# Altium PCB TwoFoot_PCB_m4T1Top2.PcbDoc (part 6 of 9)
Units mil, origin at the board's own origin, x right, y up, seen from the top; angles counter-clockwise.
Board outline 2525.58 x 2682.53 mil, 2 copper layers (Top Layer, Bottom Layer); 83 components, 113 nets, 349 pads, 87 vias.
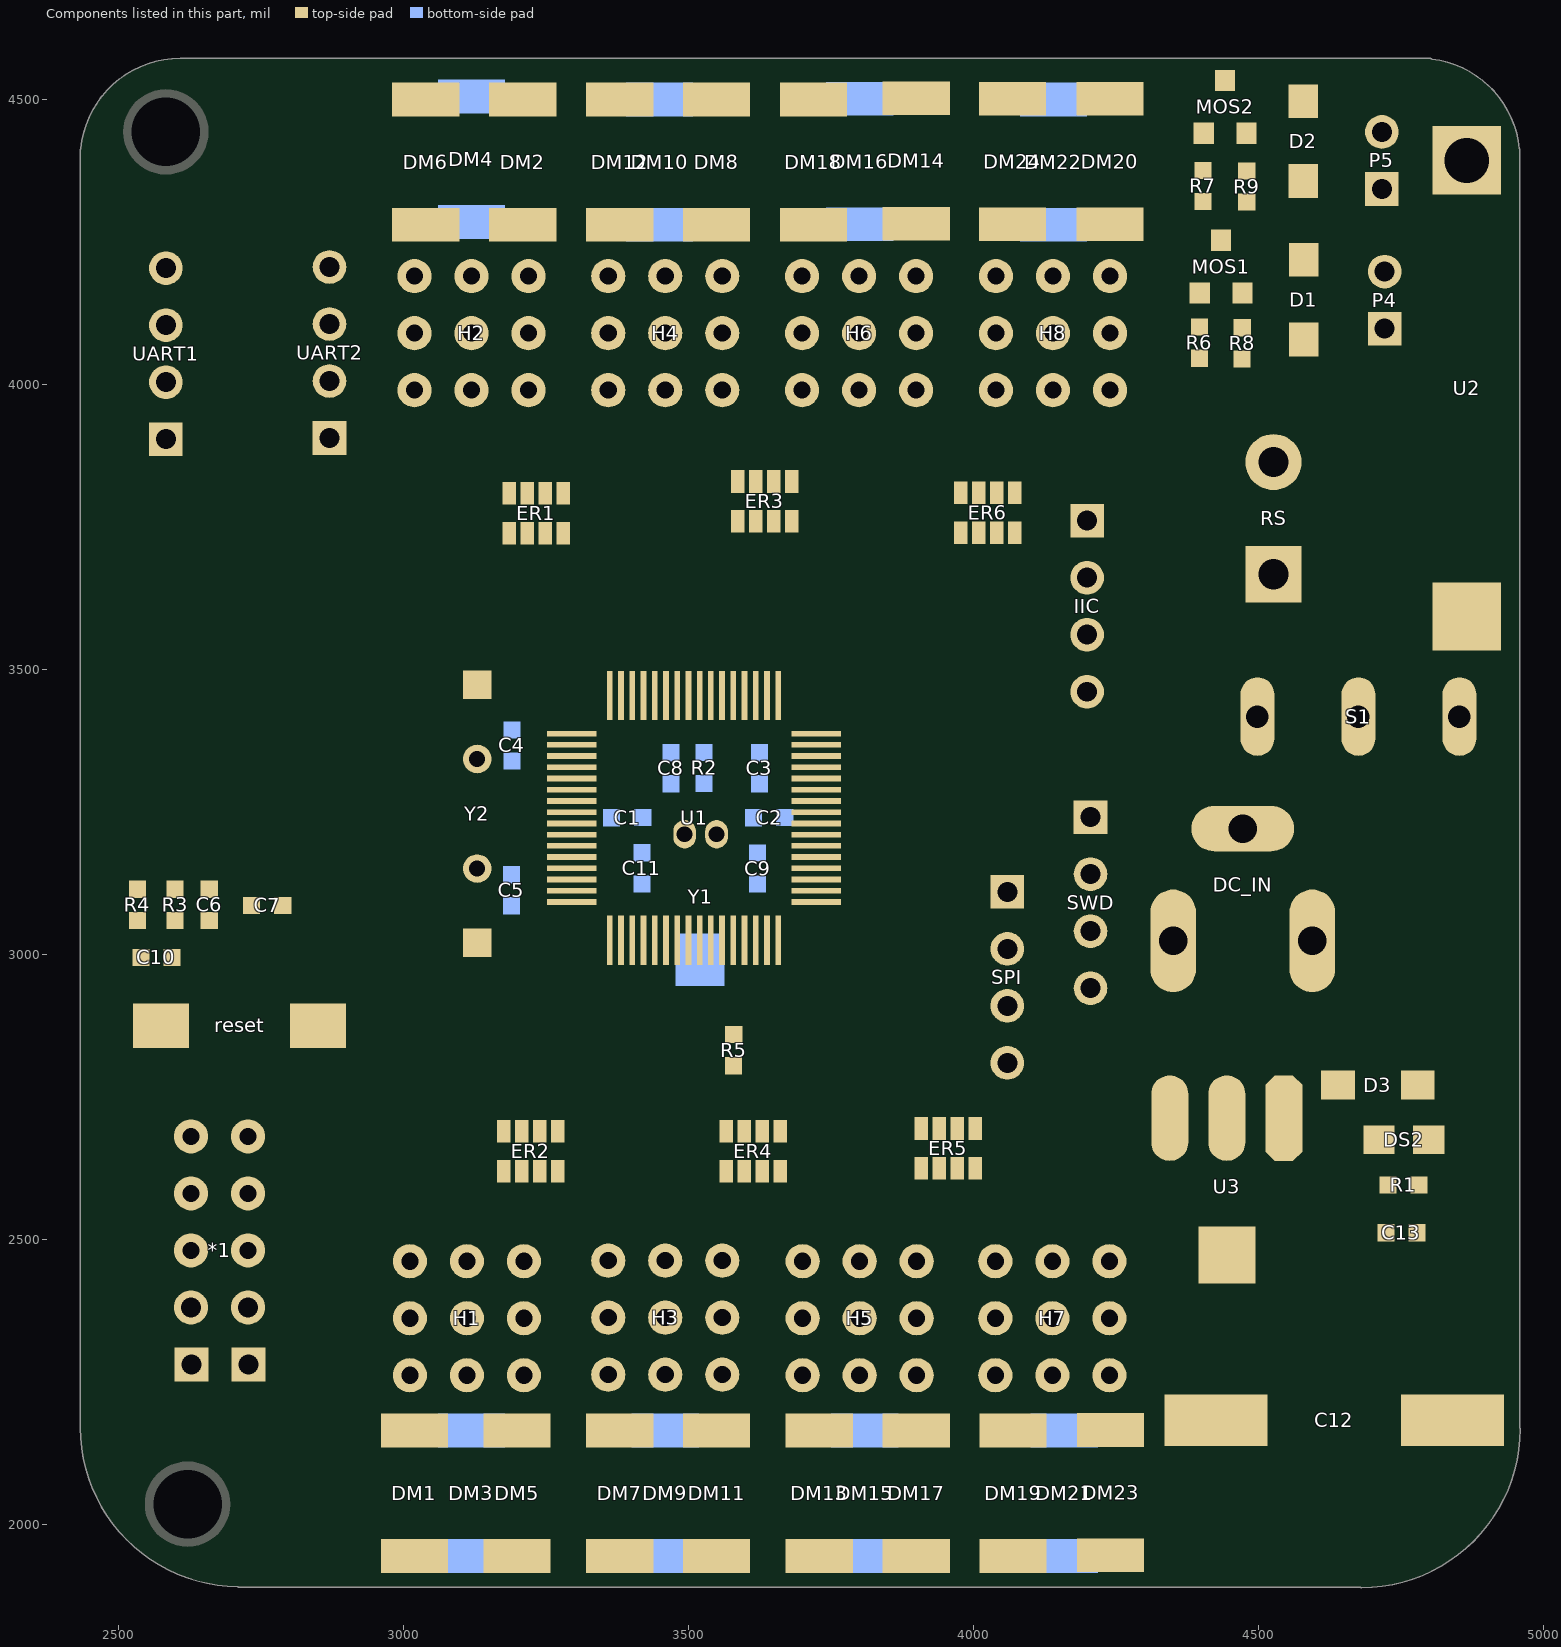
[diagram p6: the components of this part, seen from the top]

## Via types
v1: diameter 24, hole 12, Top Layer to Bottom Layer, 65 vias
v2: diameter 30, hole 20, Top Layer to Bottom Layer, 8 vias
v3: diameter 20, hole 15, Top Layer to Bottom Layer, 8 vias
v4: diameter 32, hole 15, Top Layer to Bottom Layer, 3 vias
v5: diameter 60, hole 45, Top Layer to Bottom Layer, 1 vias
v6: diameter 50, hole 35, Top Layer to Bottom Layer, 1 vias
v7: diameter 30, hole 15, Top Layer to Bottom Layer, 1 vias

## Nets (pads, with @x,y where several pads share a name; then routed paths per layer and width w, separated by ;. In a path a pad name is that pad's centre, name@x,y a point inside that pad or via, vN(x,y) a via of type N, cw(c..) or ccw(c..) an arc to the next point about the centre after c; other vN are vias at no path point) (continued)
copper on no net: (continued)
  Top Layer w0.6: 3015.6,3645.2 3015.6,3647 ; 3015.6,3657.2 3015.6,3701.6 ; 3016.2,3422 3016.2,3425.6 ; 3016.2,3426.2 3016.2,3446 ; 3016.2,3455 3016.2,3489.2 ; 3016.2,3491 3016.2,3491.6 ; 3016.2,3492.2 3016.2,3515.6 ; 3016.2,3534.2 3016.2,3534.8 ; 3016.2,3548 3016.2,3549.2 ; 3016.2,3579.2 3016.2,3598.4 ; 3016.2,3606.2 3016.2,3606.8 ; 3016.2,3608.6 3016.2,3609.2 ; 3016.2,3611 3016.2,3636.2 ; 3016.2,3645.2 3016.2,3647 ; 3016.2,3657.2 3016.2,3699.2 ; 3016.2,3699.8 3016.2,3701 ; 3016.8,3425 3016.8,3441.8 ; 3016.8,3456.2 3016.8,3489.2 ; 3016.8,3491.6 3016.8,3517.4 ; 3016.8,3533 3016.8,3534.2 ; 3016.8,3571.4 3016.8,3599 ; 3016.8,3600.2 3016.8,3600.8 ; 3016.8,3602.6 3016.8,3603.2 ; 3016.8,3609.2 3016.8,3610.4 ; 3016.8,3611 3016.8,3617 ; 3016.8,3617.6 3016.8,3634.4 ; 3016.8,3644.6 3016.8,3646.4 ; 3016.8,3657.8 3016.8,3701 ; 3017.4,3425 3017.4,3440.6 ; 3017.4,3456.2 3017.4,3489.2 ; 3017.4,3491 3017.4,3518 ; 3017.4,3533 3017.4,3533.6 ; 3017.4,3546.2 3017.4,3546.8 ; 3017.4,3564.8 3017.4,3566.6 ; 3017.4,3567.2 3017.4,3583.4 ; 3017.4,3585.8 3017.4,3600.2 ; 3017.4,3600.8 3017.4,3602 ; 3017.4,3603.2 3017.4,3603.8 ; 3017.4,3605.6 3017.4,3606.8 ; 3017.4,3611.6 3017.4,3617.6 ; 3017.4,3618.2 3017.4,3633.8 ; 3017.4,3644.6 3017.4,3646.4 ; 3017.4,3658.4 3017.4,3699.2 ; 3018,3425 3018,3440 ; 3018,3456.8 3018,3489.2 ; 3018,3491 3018,3491.6 ; 3018,3492.2 3018,3519.2 ; 3018,3528.8 3018,3530 ; 3018,3531.2 3018,3533 ; 3018,3544.4 3018,3546.2 ; 3018,3558.8 3018,3560.6 ; 3018,3561.2 3018,3580.4 ; 3018,3586.4 3018,3601.4 ; 3018,3602 3018,3603.2 ; 3018,3606.8 3018,3608 ; 3018,3609.2 3018,3610.4 ; 3018,3612.2 3018,3632.6 ; 3018,3644 3018,3645.8 ; 3018,3658.4 3018,3698.6 ; 3018.6,3425 3018.6,3438.2 ; 3018.6,3456.2 3018.6,3486.2 ; 3018.6,3486.8 3018.6,3489.2 ; 3018.6,3491 3018.6,3491.6 ; 3018.6,3492.2 3018.6,3495.8 ; 3018.6,3496.4 3018.6,3521 ; 3018.6,3528.2 3018.6,3533 ; 3018.6,3554.6 3018.6,3580.4 ; 3018.6,3585.8 3018.6,3602 ; 3018.6,3602.6 3018.6,3603.2 ; 3018.6,3603.8 3018.6,3605.6 ; 3018.6,3607.4 3018.6,3610.4 ; 3018.6,3612.8 3018.6,3631.4 ; 3018.6,3643.4 3018.6,3645.2 ; 3018.6,3659 3018.6,3698.6 ; 3019.2,3424.4 3019.2,3437.6 ; 3019.2,3455.6 3019.2,3483.2 ; 3019.2,3483.8 3019.2,3489.2 ; 3019.2,3491 3019.2,3495.8 ; 3019.2,3497 3019.2,3497.6 ; 3019.2,3498.2 3019.2,3523.4 ; 3019.2,3525.8 3019.2,3532.4 ; 3019.2,3542.6 3019.2,3543.8 ; 3019.2,3547.4 3019.2,3560.6 ; 3019.2,3561.2 3019.2,3602.6 ; 3019.2,3603.2 3019.2,3603.8 ; 3019.2,3604.4 3019.2,3606.2 ; 3019.2,3608 3019.2,3608.6 ; 3019.2,3609.8 3019.2,3610.4 ; 3019.2,3612.2 3019.2,3613.4 ; 3019.2,3614 3019.2,3629.6 ; 3019.2,3642.8 3019.2,3644.6 ; 3019.2,3659.6 3019.2,3698 ; 3019.8,3423.8 3019.8,3437 ; 3019.8,3455 3019.8,3489.2 ; 3019.8,3491 3019.8,3492.2 ; 3019.8,3492.8 3019.8,3495.8 ; 3019.8,3498.2 3019.8,3524 ; 3019.8,3525.2 3019.8,3531.8 ; 3019.8,3541.4 3019.8,3542 ; 3019.8,3543.2 3019.8,3555.8 ; 3019.8,3561.8 3019.8,3603.2 ; 3019.8,3605.6 3019.8,3606.8 ; 3019.8,3608 3019.8,3608.6 ; 3019.8,3612.2 3019.8,3614 ; 3019.8,3615.2 3019.8,3629 ; 3019.8,3642.2 3019.8,3644.6 ; 3019.8,3660.2 3019.8,3696.8 ; 3020.4,3423.8 3020.4,3435.8 ; 3020.4,3451.4 3020.4,3483.8 ; 3020.4,3484.4 3020.4,3489.2 ; 3020.4,3491.6 3020.4,3495.8 ; 3020.4,3498.2 3020.4,3531.2 ; 3020.4,3541.4 3020.4,3555.8 ; 3020.4,3561.8 3020.4,3605 ; 3020.4,3606.2 3020.4,3609.2 ; 3020.4,3611 3020.4,3612.2 ; 3020.4,3613.4 3020.4,3614 ; 3020.4,3615.2 3020.4,3628.4 ; 3020.4,3641 3020.4,3644 ; 3020.4,3660.8 3020.4,3695.6 ; 3021,3423.2 3021,3435.2 ; 3021,3447.2 3021,3489.2 ; 3021,3491.6 3021,3495.8 ; 3021,3498.2 3021,3530.6 ; 3021,3538.4 3021,3555.8 ; 3021,3559.4 3021,3578 ; 3021,3578.6 3021,3605 ; 3021,3605.6 3021,3609.8 ; 3021,3611 3021,3612.8 ; 3021,3614 3021,3615.2 ; 3021,3615.8 3021,3626 ; 3021,3632 3021,3632.6 ; 3021,3634.4 3021,3636.2 ; 3021,3641 3021,3643.4 ; 3021,3661.4 3021,3695 ; 3021.6,3423.2 3021.6,3434 ; 3021.6,3442.4 3021.6,3487.4 ; 3021.6,3488 3021.6,3489.2 ; 3021.6,3491.6 3021.6,3495.8 ; 3021.6,3497 3021.6,3497.6 ; 3021.6,3499.4 3021.6,3526.4 ; 3021.6,3527 3021.6,3530 ; 3021.6,3536.6 3021.6,3537.2 ; 3021.6,3539 3021.6,3539.6 ; 3021.6,3540.2 3021.6,3605.6 ; 3021.6,3606.8 3021.6,3608 ; 3021.6,3608.6 3021.6,3611 ; 3021.6,3612.8 3021.6,3615.2 ; 3021.6,3616.4 3021.6,3624.8 ; 3021.6,3639.8 3021.6,3642.2 ; 3021.6,3662.6 3021.6,3693.2 ; 3022.2,3423.2 3022.2,3434 ; 3022.2,3440.6 3022.2,3488.6 ; 3022.2,3491.6 3022.2,3495.8 ; 3022.2,3499.4 3022.2,3530 ; 3022.2,3535.4 3022.2,3536.6 ; 3022.2,3537.2 3022.2,3537.8 ; 3022.2,3539 3022.2,3539.6 ; 3022.2,3540.2 3022.2,3565.4 ; 3022.2,3566 3022.2,3572.6 ; 3022.2,3578.6 3022.2,3607.4 ; 3022.2,3608 3022.2,3613.4 ; 3022.2,3614 3022.2,3615.8 ; 3022.2,3616.4 3022.2,3624.2 ; 3022.2,3637.4 3022.2,3642.2 ; 3022.2,3663.8 3022.2,3692 ; 3022.8,3423.2 3022.8,3425 ; 3022.8,3428.6 3022.8,3431 ; 3022.8,3438.2 3022.8,3488 ; 3022.8,3492.2 3022.8,3495.8 ; 3022.8,3500.6 3022.8,3529.4 ; 3022.8,3530 3022.8,3531.2 ; 3022.8,3533 3022.8,3536.6 ; 3022.8,3537.8 3022.8,3539 ; 3022.8,3539.6 3022.8,3563.6 ; 3022.8,3570.2 3022.8,3606.8 ; 3022.8,3607.4 3022.8,3612.8 ; 3022.8,3613.4 3022.8,3615.8 ; 3022.8,3617.6 3022.8,3622.4 ; 3022.8,3623 3022.8,3623.6 ; 3022.8,3632.6 3022.8,3641 ; 3022.8,3664.4 3022.8,3690.2 ; 3023.4,3440.6 3023.4,3485.6 ; 3023.4,3486.8 3023.4,3487.4 ; 3023.4,3492.2 3023.4,3495.8 ; 3023.4,3501.2 3023.4,3528.8 ; 3023.4,3530 3023.4,3538.4 ; 3023.4,3539 3023.4,3563.6 ; 3023.4,3565.4 3023.4,3610.4 ; 3023.4,3611 3023.4,3616.4 ; 3023.4,3618.2 3023.4,3621.8 ; 3023.4,3623 3023.4,3629 ; 3023.4,3632.6 3023.4,3639.8 ; 3023.4,3665.6 3023.4,3688.4 ; 3024,3441.8 3024,3485 ; 3024,3492.2 3024,3495.8 ; 3024,3501.2 3024,3537.8 ; 3024,3538.4 3024,3565.4 ; 3024,3567.2 3024,3617.6 ; 3024,3618.8 3024,3621.8 ; 3024,3625.4 3024,3628.4 ; 3024,3630.2 3024,3639.2 ; 3024,3667.4 3024,3686 ; 3024.6,3439.4 3024.6,3440.6 ; 3024.6,3442.4 3024.6,3485.6 ; 3024.6,3492.8 3024.6,3495.8 ; 3024.6,3501.8 3024.6,3530.6 ; 3024.6,3531.2 3024.6,3537.2 ; 3024.6,3537.8 3024.6,3618.2 ; 3024.6,3619.4 3024.6,3623 ; 3024.6,3627.8 3024.6,3638 ; 3024.6,3668.6 3024.6,3683.6 ; 3024.6,3696.2 3024.6,3697.4 ; 3025.2,3439.4 3025.2,3485.6 ; 3025.2,3492.8 3025.2,3495.2 ; 3025.2,3501.8 3025.2,3618.2 ; 3025.2,3620 3025.2,3623.6 ; 3025.2,3626 3025.2,3636.2 ; 3025.2,3669.8 3025.2,3684.8 ; 3025.2,3692 3025.2,3693.2 ; 3025.2,3695 3025.2,3695.6 ; 3025.8,3440.6 3025.8,3485.6 ; 3025.8,3493.4 3025.8,3495.2 ; 3025.8,3501.8 3025.8,3528.8 ; 3025.8,3529.4 3025.8,3585.8 ; 3025.8,3586.4 3025.8,3618.8 ; 3025.8,3620 3025.8,3635 ; 3025.8,3672.8 3025.8,3692.6 ; 3026.4,3441.8 3026.4,3486.2 ; 3026.4,3493.4 3026.4,3495.2 ; 3026.4,3502.4 3026.4,3526.4 ; 3026.4,3527 3026.4,3618.2 ; 3026.4,3620.6 3026.4,3632.6 ; 3026.4,3675.2 3026.4,3689 ; 3027,3441.8 3027,3485.6 ; 3027,3494 3027,3495.2 ; 3027,3502.4 3027,3618.2 ; 3027,3621.2 3027,3630.8 ; 3027.6,3441.8 3027.6,3485.6 ; 3027.6,3494.6 3027.6,3495.8 ; 3027.6,3502.4 3027.6,3612.2 ; 3027.6,3612.8 3027.6,3617.6 ; 3027.6,3621.8 3027.6,3629 ; 3028.2,3441.8 3028.2,3485.6 ; 3028.2,3494.6 3028.2,3495.8 ; 3028.2,3503 3028.2,3617 ; 3028.2,3621.8 3028.2,3627.2 ; 3028.8,3441.8 3028.8,3484.4 ; 3028.8,3485 3028.8,3485.6 ; 3028.8,3495.2 3028.8,3497 ; 3028.8,3503 3028.8,3617 ; 3028.8,3622.4 3028.8,3625.4 ; 3029.4,3441.8 3029.4,3485.6 ; 3029.4,3495.2 3029.4,3497 ; 3029.4,3503 3029.4,3524.6 ; 3029.4,3525.2 3029.4,3618.8 ; 3029.4,3622.4 3029.4,3624.2 ; 3030,3441.8 3030,3485.6 ; 3030,3495.8 3030,3497.6 ; 3030,3503.6 3030,3524 ; 3030,3525.2 3030,3618.8 ; 3030,3623 3030,3624.2 ; 3030.6,3441.8 3030.6,3485.6 ; 3030.6,3496.4 3030.6,3498.2 ; 3030.6,3503.6 3030.6,3524 ; 3030.6,3525.2 3030.6,3554.6 ; 3030.6,3555.2 3030.6,3618.8 ; 3030.6,3623 3030.6,3624.2 ; 3031.2,3442.4 3031.2,3483.8 ; 3031.2,3484.4 3031.2,3485 ; 3031.2,3497 3031.2,3499.4 ; 3031.2,3501.8 3031.2,3503 ; 3031.2,3503.6 3031.2,3522.8 ; 3031.2,3524 3031.2,3585.8 ; 3031.2,3586.4 3031.2,3606.8 ; 3031.2,3608 3031.2,3619.4 ; 3031.2,3621.2 3031.2,3624.2 ; 3031.8,3442.4 3031.8,3485 ; 3031.8,3498.2 3031.8,3499.4 ; 3031.8,3503.6 3031.8,3523.4 ; 3031.8,3524 3031.8,3607.4 ; 3031.8,3611 3031.8,3624.2 ; 3032.4,3442.4 3032.4,3484.4 ; 3032.4,3498.2 3032.4,3501.2 ; 3032.4,3502.4 3032.4,3522.8 ; 3032.4,3524 3032.4,3607.4 ; 3032.4,3612.8 3032.4,3623.6 ; 3033,3442.4 3033,3484.4 ; 3033,3499.4 3033,3522.2 ; 3033,3524 3033,3532.4 ; 3033,3533 3033,3607.4 ; 3033,3612.8 3033,3623 ; 3033.6,3442.4 3033.6,3483.8 ; 3033.6,3500 3033.6,3522.2 ; 3033.6,3523.4 3033.6,3607.4 ; 3033.6,3613.4 3033.6,3621.8 ; 3034.2,3442.4 3034.2,3483.8 ; 3034.2,3501.2 3034.2,3521.6 ; 3034.2,3523.4 3034.2,3607.4 ; 3034.2,3613.4 3034.2,3620 ; 3034.8,3442.4 3034.8,3483.2 ; 3034.8,3501.8 3034.8,3521.6 ; 3034.8,3522.8 3034.8,3608 ; 3034.8,3614 3034.8,3618.2 ; 3035.4,3440 3035.4,3440.6 ; 3035.4,3442.4 3035.4,3483.2 ; 3035.4,3503 3035.4,3521 ; 3035.4,3522.8 3035.4,3609.2 ; 3036,3435.2 3036,3435.8 ; 3036,3441.8 3036,3482 ; 3036,3505.4 3036,3521 ; 3036,3522.8 3036,3609.8 ; 3036.6,3442.4 3036.6,3482 ; 3036.6,3507.8 3036.6,3521 ; 3036.6,3523.4 3036.6,3610.4 ; 3037.2,3443 3037.2,3481.4 ; 3037.2,3512.6 3037.2,3521 ; 3037.2,3523.4 3037.2,3604.4 ; 3037.2,3605 3037.2,3611 ; 3037.8,3443.6 3037.8,3480.8 ; 3037.8,3516.2 3037.8,3521 ; 3037.8,3522.2 3037.8,3537.2 ; 3037.8,3538.4 3037.8,3573.8 ; 3037.8,3575 3037.8,3603.8 ; 3037.8,3604.4 3037.8,3612.2 ; 3038.4,3444.8 3038.4,3480.2 ; 3038.4,3519.8 3038.4,3521 ; 3038.4,3522.2 3038.4,3534.8 ; 3038.4,3538.4 3038.4,3603.2 ; 3038.4,3603.8 3038.4,3612.8 ; 3039,3445.4 3039,3479 ; 3039,3524 3039,3534.2 ; 3039,3537.8 3039,3602 ; 3039,3602.6 3039,3613.4 ; 3039.6,3445.4 3039.6,3479 ; 3039.6,3521.6 3039.6,3533.6 ; 3039.6,3537.8 3039.6,3601.4 ; 3039.6,3602 3039.6,3614 ; 3040.2,3445.4 3040.2,3477.8 ; 3040.2,3521 3040.2,3533 ; 3040.2,3538.4 3040.2,3600.2 ; 3040.2,3600.8 3040.2,3614.6 ; 3040.8,3447.2 3040.8,3476.6 ; 3040.8,3521 3040.8,3533 ; 3040.8,3537.8 3040.8,3600.2 ; 3040.8,3601.4 3040.8,3615.2 ; 3041.4,3444.2 3041.4,3476 ; 3041.4,3521.6 3041.4,3532.4 ; 3041.4,3537.2 3041.4,3597.2 ; 3041.4,3598.4 3041.4,3615.8 ; 3042,3444.2 3042,3474.8 ; 3042,3522.2 3042,3531.2 ; 3042,3537.2 3042,3576.8 ; 3042,3579.8 3042,3616.4 ; 3042.6,3444.8 3042.6,3445.4 ; 3042.6,3446 3042.6,3474.2 ; 3042.6,3525.2 3042.6,3530.6 ; 3042.6,3536.6 3042.6,3617 ; 3043.2,3448.4 3043.2,3472.4 ; 3043.2,3536 3043.2,3539.6 ; 3043.2,3540.2 3043.2,3541.4 ; 3043.2,3542 3043.2,3593.6 ; 3043.2,3594.2 3043.2,3617.6 ; 3043.8,3449.6 3043.8,3471.2 ; 3043.8,3535.4 3043.8,3540.2 ; 3043.8,3540.8 3043.8,3542.6 ; 3043.8,3543.2 3043.8,3618.2 ; 3044.4,3456.2 3044.4,3469.4 ; 3044.4,3534.8 3044.4,3575 ; 3044.4,3576.2 3044.4,3618.8 ; 3045,3457.4 3045,3467.6 ; 3045,3534.2 3045,3618.8 ; 3045.6,3456.2 3045.6,3465.2 ; 3045.6,3533.6 3045.6,3548.6 ; 3045.6,3549.8 3045.6,3619.4 ; 3046.2,3450.2 3046.2,3461.6 ; 3046.2,3534.2 3046.2,3620 ; 3046.8,3533 3046.8,3620.6 ; 3047.4,3532.4 3047.4,3621.2 ; 3048,3531.8 3048,3621.2 ; 3048.6,3531.8 3048.6,3621.8 ; 3049.2,3531.2 3049.2,3534.8 ; 3049.2,3535.4 3049.2,3621.8 ; 3049.8,3530.6 3049.8,3621.8 ; 3050.4,3530.6 3050.4,3621.8 ; 3051,3530.6 3051,3621.8 ; 3051.6,3530 3051.6,3622.4 ; 3051.6,3623 3051.6,3627.8 ; 3052.2,3529.4 3052.2,3627.8 ; 3052.8,3528.8 3052.8,3628.4 ; 3053.4,3528.8 3053.4,3628.4 ; 3054,3528.2 3054,3629 ; 3054.6,3528.2 3054.6,3629 ; 3055.2,3527.6 3055.2,3629.6 ; 3055.8,3527.6 3055.8,3629.6 ; 3056.4,3527 3056.4,3529.4 ; 3056.4,3530 3056.4,3630.2 ; 3057,3527 3057,3529.4 ; 3057,3530 3057,3630.2 ; 3057.6,3527 3057.6,3528.8 ; 3057.6,3529.4 3057.6,3630.8 ; 3058.2,3526.4 3058.2,3630.8 ; 3058.8,3526.4 3058.8,3631.4 ; 3059.4,3526.4 3059.4,3528.2 ; 3059.4,3528.8 3059.4,3628.4 ; 3059.4,3629 3059.4,3629.6 ; 3059.4,3630.2 3059.4,3631.4 ; 3060,3524.6 3060,3632 ; 3060.6,3521.6 3060.6,3632 ; 3061.2,3521.6 3061.2,3632 ; 3061.8,3521 3061.8,3628.4 ; 3061.8,3629 3061.8,3632.6 ; 3062.4,3521 3062.4,3632.6 ; 3063,3521 3063,3632.6 ; 3063.6,3521 3063.6,3633.2 ; 3064.2,3520.4 3064.2,3633.2 ; 3064.8,3520.4 3064.8,3633.2 ; 3065.4,3520.4 3065.4,3633.2 ; 3066,3519.8 3066,3633.8 ; 3066.6,3519.8 3066.6,3633.8 ; 3067.2,3519.8 3067.2,3633.8 ; 3067.8,3519.2 3067.8,3634.4 ; 3068.4,3519.2 3068.4,3634.4 ; 3069,3519.2 3069,3634.4 ; 3069.6,3519.2 3069.6,3634.4 ; 3070.2,3519.2 3070.2,3634.4 ; 3070.8,3518.6 3070.8,3634.4 ; 3071.4,3518.6 3071.4,3634.4 ; 3072,3518.6 3072,3635 ; 3072.6,3518.6 3072.6,3635 ; 3073.2,3518.6 3073.2,3635 ; 3073.8,3518.6 3073.8,3635 ; 3074.4,3518 3074.4,3635 ; 3075,3518 3075,3635 ; 3075.6,3518 3075.6,3635 ; 3076.2,3518 3076.2,3635 ; 3076.8,3518 3076.8,3635.6 ; 3077.4,3518 3077.4,3635.6 ; 3078,3518 3078,3635.6 ; 3078.6,3518 3078.6,3634.4 ; 3078.6,3635 3078.6,3635.6 ; 3079.2,3518 3079.2,3635.6 ; 3079.8,3518 3079.8,3635.6 ; 3080.4,3518 3080.4,3632.6 ; 3080.4,3633.2 3080.4,3635.6 ; 3081,3518 3081,3632.6 ; 3081,3633.2 3081,3635.6 ; 3081.6,3518 3081.6,3628.4 ; 3081.6,3629.6 3081.6,3631.4 ; 3081.6,3633.2 3081.6,3635.6 ; 3082.2,3518 3082.2,3521 ; 3082.2,3521.6 3082.2,3627.2 ; 3082.2,3630.2 3082.2,3631.4 ; 3082.2,3633.2 3082.2,3635.6 ; 3082.8,3518 3082.8,3520.4 ; 3082.8,3521.6 3082.8,3627.2 ; 3082.8,3630.2 3082.8,3630.8 ; 3082.8,3633.2 3082.8,3635.6 ; 3083.4,3518 3083.4,3520.4 ; 3083.4,3521.6 3083.4,3627.2 ; 3083.4,3630.2 3083.4,3630.8 ; 3083.4,3633.2 3083.4,3635.6 ; 3084,3518 3084,3519.8 ; 3084,3520.4 3084,3521 ; 3084,3521.6 3084,3563 ; 3084,3563.6 3084,3615.8 ; 3084,3616.4 3084,3627.2 ; 3084,3634.4 3084,3635 ; 3084.6,3518 3084.6,3519.8 ; 3084.6,3521.6 3084.6,3563 ; 3084.6,3564.8 3084.6,3615.8 ; 3084.6,3616.4 3084.6,3627.2 ; 3084.6,3633.8 3084.6,3635 ; 3085.2,3518 3085.2,3519.8 ; 3085.2,3521.6 3085.2,3536.6 ; 3085.2,3537.2 3085.2,3587 ; 3085.2,3588.2 3085.2,3627.2 ; 3085.2,3633.8 3085.2,3635 ; 3085.8,3518 3085.8,3519.8 ; 3085.8,3521.6 3085.8,3536.6 ; 3085.8,3537.2 3085.8,3563.6 ; 3085.8,3564.2 3085.8,3585.2 ; 3085.8,3585.8 3085.8,3587.6 ; 3085.8,3590 3085.8,3616.4 ; 3085.8,3617 3085.8,3627.2 ; 3085.8,3633.8 3085.8,3635 ; 3086.4,3518 3086.4,3519.8 ; 3086.4,3522.2 3086.4,3536.6 ; 3086.4,3537.2 3086.4,3563.6 ; 3086.4,3564.2 3086.4,3569.6 ; 3086.4,3570.2 3086.4,3588.8 ; 3086.4,3589.4 3086.4,3627.2 ; 3086.4,3633.8 3086.4,3635 ; 3087,3518 3087,3519.8 ; 3087,3522.2 3087,3531.8 ; 3087,3533 3087,3564.8 ; 3087,3565.4 3087,3569 ; 3087,3570.2 3087,3582.8 ; 3087,3584.6 3087,3627.2 ; 3087,3633.8 3087,3635 ; 3087.6,3518 3087.6,3519.8 ; 3087.6,3522.2 3087.6,3531.2 ; 3087.6,3533 3087.6,3536 ; 3087.6,3536.6 3087.6,3563 ; 3087.6,3563.6 3087.6,3569 ; 3087.6,3570.2 3087.6,3573.8 ; 3087.6,3579.8 3087.6,3582.2 ; 3087.6,3585.2 3087.6,3587.6 ; 3087.6,3589.4 3087.6,3616.4 ; 3087.6,3617 3087.6,3620.6 ; 3087.6,3623 3087.6,3623.6 ; 3087.6,3624.8 3087.6,3627.2 ; 3087.6,3633.8 3087.6,3635 ; 3088.2,3518 3088.2,3519.8 ; 3088.2,3522.2 3088.2,3531.2 ; 3088.2,3533 3088.2,3536 ; 3088.2,3536.6 3088.2,3561.2 ; 3088.2,3563 3088.2,3564.2 ; 3088.2,3564.8 3088.2,3567.2 ; 3088.2,3567.8 3088.2,3569 ; 3088.2,3570.2 3088.2,3571.4 ; 3088.2,3579.8 3088.2,3581.6 ; 3088.2,3584.6 3088.2,3585.8 ; 3088.2,3586.4 3088.2,3587.6 ; 3088.2,3590.6 3088.2,3605 ; 3088.2,3606.2 3088.2,3616.4 ; 3088.2,3617.6 3088.2,3619.4 ; 3088.2,3623 3088.2,3623.6 ; 3088.2,3624.8 3088.2,3627.2 ; 3088.2,3633.8 3088.2,3635 ; 3088.8,3518.6 3088.8,3519.8 ; 3088.8,3522.2 3088.8,3530 ; 3088.8,3530.6 3088.8,3531.2 ; 3088.8,3533 3088.8,3560 ; 3088.8,3560.6 3088.8,3567.2 ; 3088.8,3584.6 3088.8,3585.2 ; 3088.8,3587.6 3088.8,3620.6 ; 3088.8,3624.8 3088.8,3627.2 ; 3088.8,3633.8 3088.8,3635 ; 3089.4,3518.6 3089.4,3519.8 ; 3089.4,3522.2 3089.4,3530 ; 3089.4,3530.6 3089.4,3531.2 ; 3089.4,3533 3089.4,3535.4 ; 3089.4,3536.6 3089.4,3558.2 ; 3089.4,3559.4 3089.4,3566 ; 3089.4,3588.2 3089.4,3615.2 ; 3089.4,3616.4 3089.4,3618.2 ; 3089.4,3624.8 3089.4,3627.2 ; 3089.4,3633.8 3089.4,3634.4 ; 3090,3518.6 3090,3519.8 ; 3090,3522.8 3090,3530 ; 3090,3533.6 3090,3534.2 ; 3090,3536.6 3090,3559.4 ; 3090,3560.6 3090,3564.2 ; 3090,3589.4 3090,3613.4 ; 3090,3614 3090,3616.4 ; 3090,3624.8 3090,3627.8 ; 3090,3633.8 3090,3634.4 ; 3090.6,3518.6 3090.6,3519.8 ; 3090.6,3522.8 3090.6,3524 ; 3090.6,3524.6 3090.6,3528.8 ; 3090.6,3529.4 3090.6,3530 ; 3090.6,3536.6 3090.6,3554.6 ; 3090.6,3555.8 3090.6,3559.4 ; 3090.6,3561.2 3090.6,3563.6 ; 3090.6,3591.8 3090.6,3616.4 ; 3090.6,3624.8 3090.6,3629 ; 3090.6,3633.2 3090.6,3634.4 ; 3091.2,3518.6 3091.2,3519.8 ; 3091.2,3524.6 3091.2,3528.8 ; 3091.2,3536.6 3091.2,3552.8 ; 3091.2,3553.4 3091.2,3555.2 ; 3091.2,3555.8 3091.2,3558.2 ; 3091.2,3560 3091.2,3560.6 ; 3091.2,3592.4 3091.2,3614 ; 3091.2,3615.8 3091.2,3616.4 ; 3091.2,3617.6 3091.2,3618.2 ; 3091.2,3625.4 3091.2,3630.2 ; 3091.2,3633.2 3091.2,3634.4 ; 3091.8,3518.6 3091.8,3520.4 ; 3091.8,3524.6 3091.8,3525.2 ; 3091.8,3526.4 3091.8,3528.8 ; 3091.8,3536.6 3091.8,3551 ; 3091.8,3552.2 3091.8,3555.8 ; 3091.8,3556.4 3091.8,3558.8 ; 3091.8,3559.4 3091.8,3560.6 ; 3091.8,3593 3091.8,3616.4 ; 3091.8,3625.4 3091.8,3630.8 ; 3091.8,3633.2 3091.8,3633.8 ; 3092.4,3519.2 3092.4,3520.4 ; 3092.4,3526.4 3092.4,3528.8 ; 3092.4,3536.6 3092.4,3555.2 ; 3092.4,3555.8 3092.4,3558.8 ; 3092.4,3593 3092.4,3613.4 ; 3092.4,3625.4 3092.4,3630.8 ; 3092.4,3633.2 3092.4,3633.8 ; 3093,3519.2 3093,3520.4 ; 3093,3526.4 3093,3528.8 ; 3093,3536.6 3093,3548 ; 3093,3548.6 3093,3559.4 ; 3093,3593.6 3093,3615.2 ; 3093,3625.4 3093,3630.8 ; 3093,3633.2 3093,3633.8 ; 3093.6,3519.2 3093.6,3520.4 ; 3093.6,3527 3093.6,3528.8 ; 3093.6,3536.6 3093.6,3549.8 ; 3093.6,3551 3093.6,3558.2 ; 3093.6,3593.6 3093.6,3612.2 ; 3093.6,3625.4 3093.6,3630.8 ; 3093.6,3632.6 3093.6,3633.2 ; 3094.2,3519.2 3094.2,3520.4 ; 3094.2,3527 3094.2,3528.8 ; 3094.2,3536.6 3094.2,3544.4 ; 3094.2,3546.2 3094.2,3549.8 ; 3094.2,3551 3094.2,3557.6 ; 3094.2,3593.6 3094.2,3612.2 ; 3094.2,3625.4 3094.2,3630.8 ; 3094.2,3632.6 3094.2,3633.2 ; 3094.8,3519.8 3094.8,3520.4 ; 3094.8,3527 3094.8,3528.8 ; 3094.8,3536.6 3094.8,3557.6 ; 3094.8,3593.6 3094.8,3611.6 ; 3094.8,3625.4 3094.8,3630.8 ; 3094.8,3632.6 3094.8,3633.2 ; 3095.4,3519.8 3095.4,3520.4 ; 3095.4,3527 3095.4,3528.8 ; 3095.4,3537.2 3095.4,3540.8 ; 3095.4,3542 3095.4,3557.6 ; 3095.4,3594.2 3095.4,3611.6 ; 3095.4,3625.4 3095.4,3630.8 ; 3095.4,3632.6 3095.4,3633.2 ; 3096,3519.8 3096,3520.4 ; 3096,3527 3096,3528.8 ; 3096,3538.4 3096,3539 ; 3096,3540.8 3096,3544.4 ; 3096,3546.2 3096,3557.6 ; 3096,3594.2 3096,3611 ; 3096,3625.4 3096,3630.8 ; 3096.6,3519.8 3096.6,3521 ; 3096.6,3527 3096.6,3528.8 ; 3096.6,3541.4 3096.6,3557.6 ; 3096.6,3594.2 3096.6,3610.4 ; 3096.6,3625.4 3096.6,3630.8 ; 3096.6,3632 3096.6,3632.6 ; 3097.2,3520.4 3097.2,3521 ; 3097.2,3526.4 3097.2,3528.8 ; 3097.2,3540.2 3097.2,3540.8 ; 3097.2,3542.6 3097.2,3557.6 ; 3097.2,3595.4 3097.2,3609.8 ; 3097.2,3626 3097.2,3630.8 ; 3097.2,3632 3097.2,3632.6 ; 3097.8,3520.4 3097.8,3521 ; 3097.8,3526.4 3097.8,3528.8 ; 3097.8,3541.4 3097.8,3557.6 ; 3097.8,3596 3097.8,3609.8 ; 3097.8,3626 3097.8,3630.8 ; 3097.8,3632 3097.8,3632.6 ; 3098.4,3525.8 3098.4,3526.4 ; 3098.4,3527 3098.4,3528.8 ; 3098.4,3542.6 3098.4,3556.4 ; 3098.4,3596 3098.4,3597.2 ; 3098.4,3599 3098.4,3609.8 ; 3098.4,3626 3098.4,3631.4 ; 3099,3525.8 3099,3528.8 ; 3099,3542.6 3099,3556.4 ; 3099,3596 3099,3597.2 ; 3099,3599 3099,3609.2 ; 3099,3626 3099,3631.4 ; 3099.6,3524 3099.6,3529.4 ; 3099.6,3543.2 3099.6,3556.4 ; 3099.6,3596 3099.6,3597.2 ; 3099.6,3599 3099.6,3602 ; 3099.6,3602.6 3099.6,3608.6 ; 3099.6,3626 3099.6,3626.6 ; 3099.6,3627.2 3099.6,3631.4 ; 3100.2,3524 3100.2,3529.4 ; 3100.2,3544.4 3100.2,3554 ; 3100.2,3596 3100.2,3597.2 ; 3100.2,3599.6 3100.2,3601.4 ; 3100.2,3602.6 3100.2,3603.8 ; 3100.2,3604.4 3100.2,3608 ; 3100.2,3626 3100.2,3631.4 ; 3100.8,3524 3100.8,3529.4 ; 3100.8,3544.4 3100.8,3552.8 ; 3100.8,3596 3100.8,3597.2 ; 3100.8,3600.2 3100.8,3601.4 ; 3100.8,3603.2 3100.8,3603.8 ; 3100.8,3605 3100.8,3606.8 ; 3100.8,3626 3100.8,3627.8 ; 3101.4,3524 3101.4,3529.4 ; 3101.4,3545 3101.4,3551 ; 3101.4,3596 3101.4,3597.2 ; 3101.4,3600.2 3101.4,3600.8 ; 3101.4,3605 3101.4,3606.2 ; 3102,3524.6 3102,3529.4 ; 3102,3545.6 3102,3546.2 ; 3102,3596 3102,3597.2 ; 3102.6,3522.2 3102.6,3522.8 ; 3102.6,3524.6 3102.6,3529.4 ; 3102.6,3545.6 3102.6,3546.2 ; 3102.6,3596 3102.6,3597.2 ; 3103.2,3524.6 3103.2,3529.4 ; 3103.2,3546.8 3103.2,3548 ; 3103.2,3550.4 